# Altium PCB Spektrop2_Processor_Board_V1.PcbDoc (part 2 of 5) (continued)
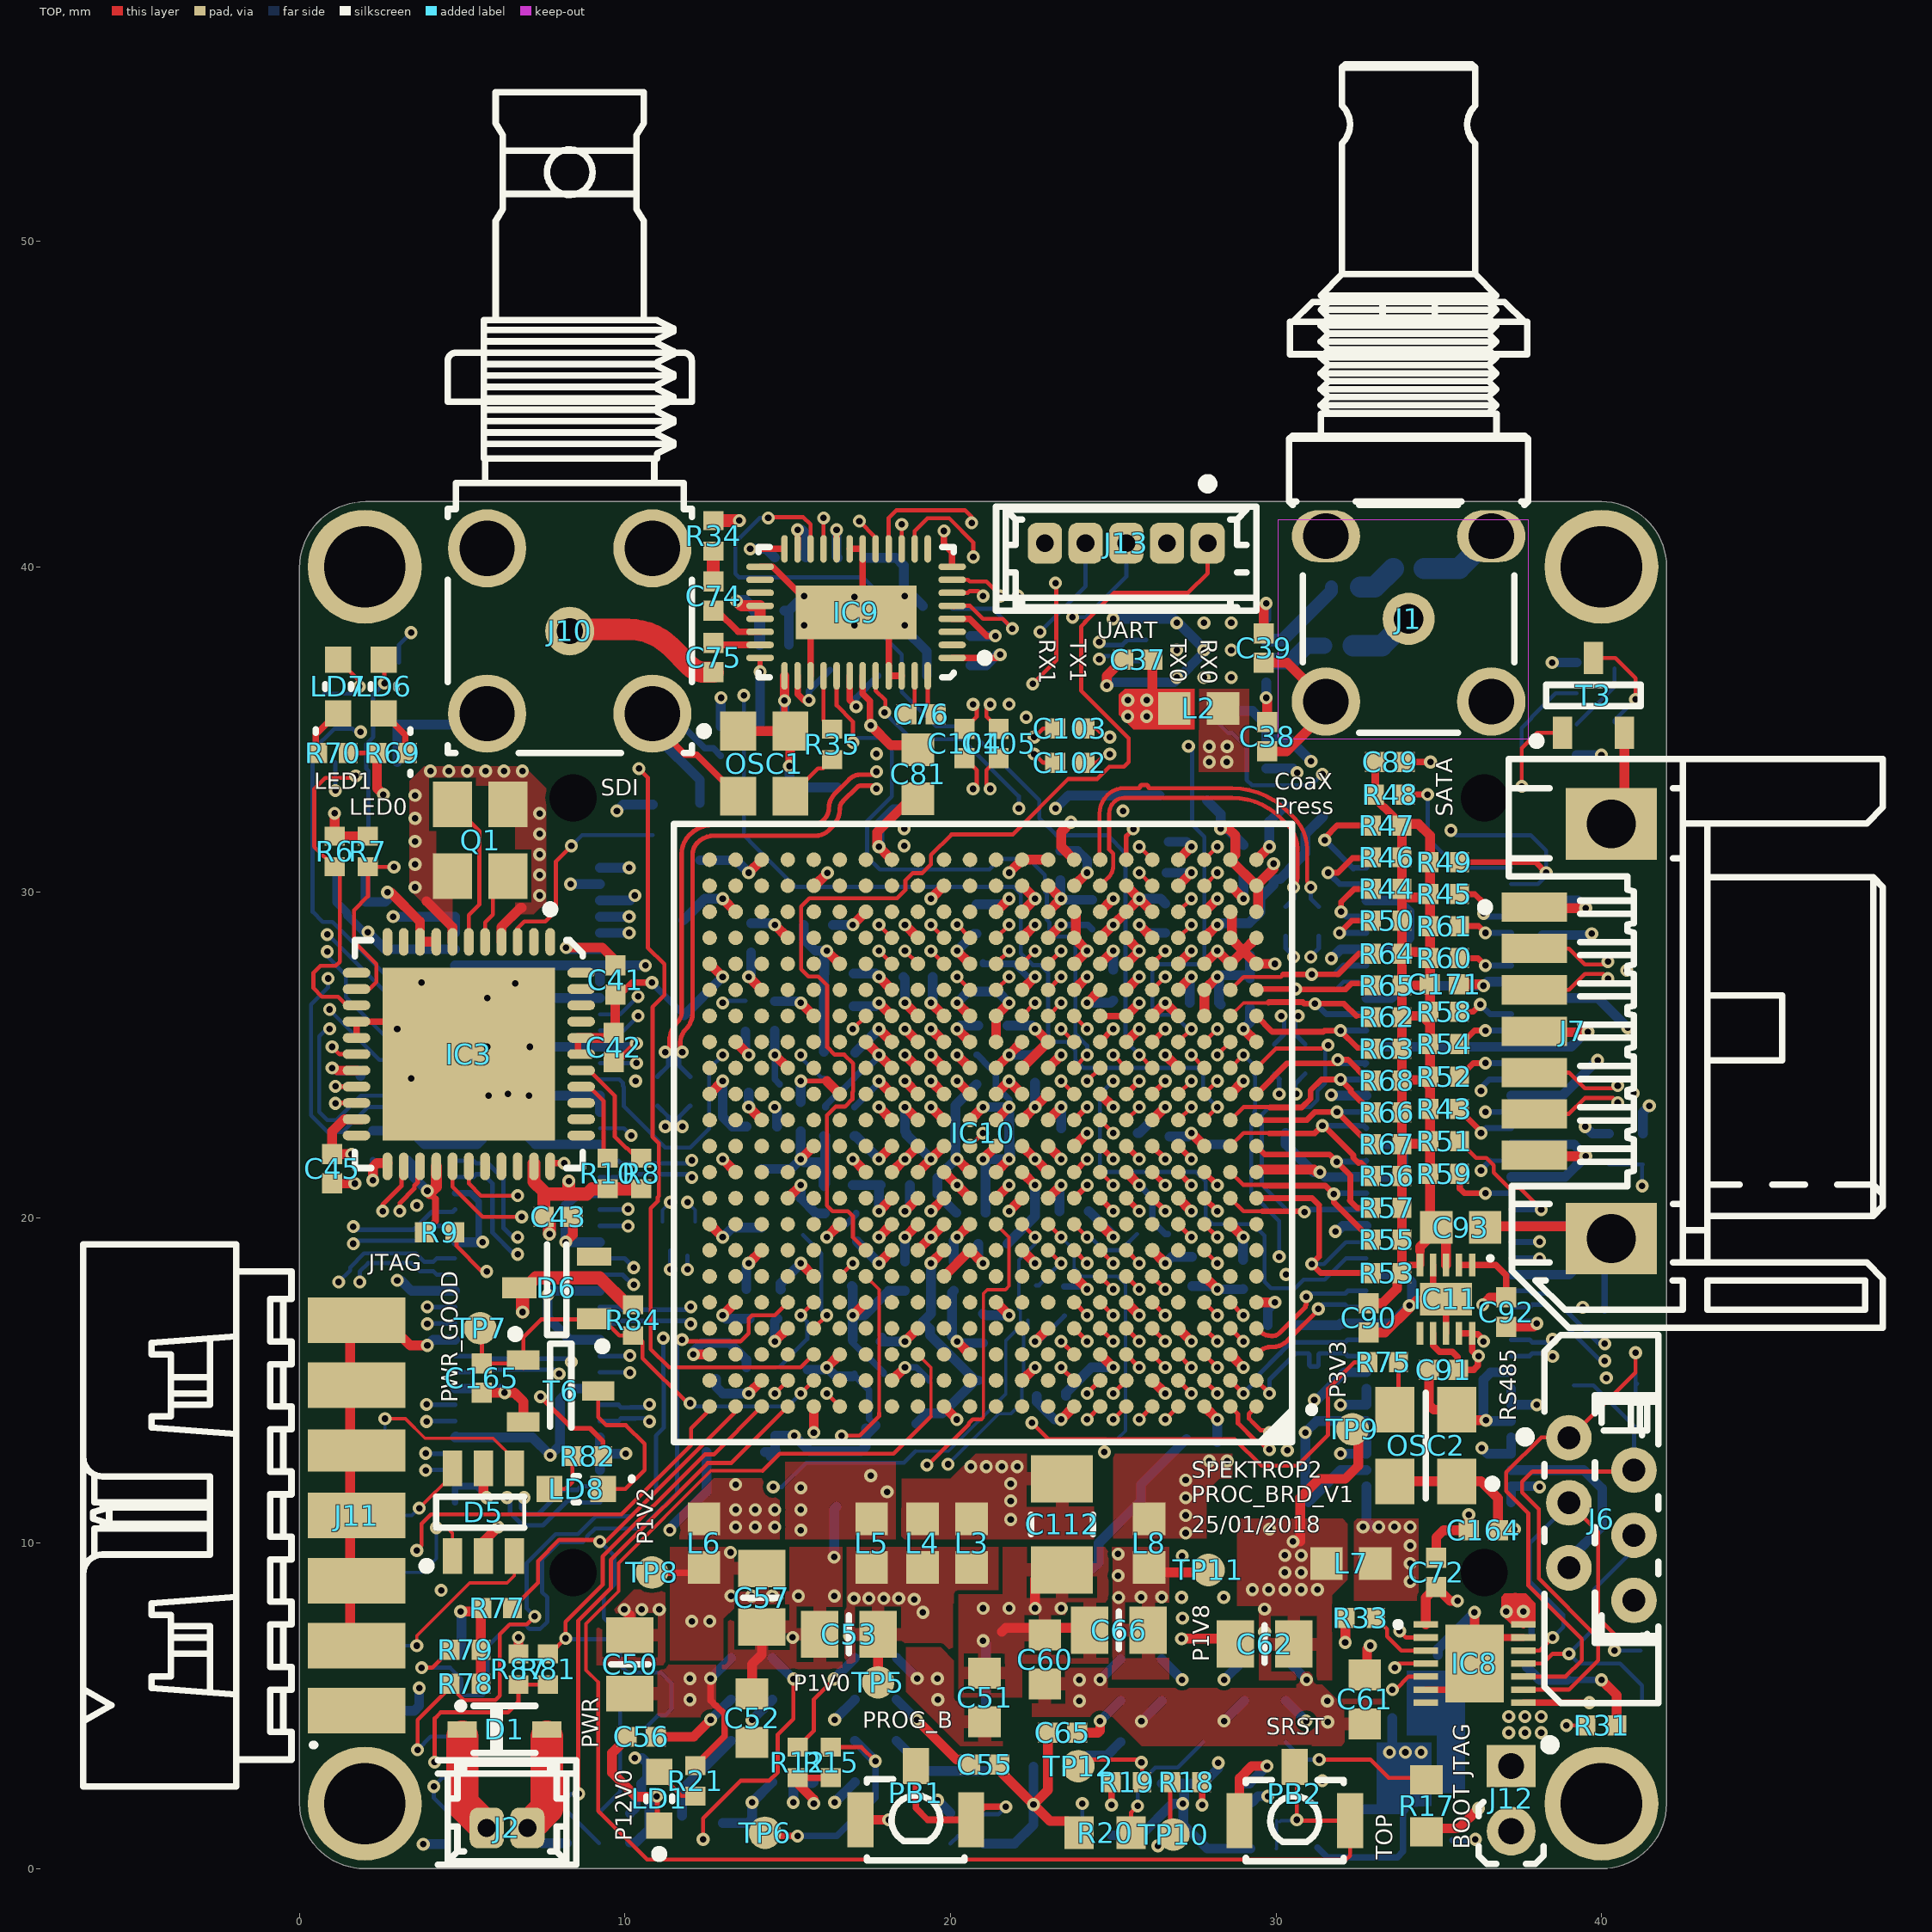
[diagram p0: TOP view]
## Part data (continued)
R90: library part R0402_22r_1%_0.0625W_100PPM, "Resistor - 1%", Case=0402, Manufacturer=GENERIC, Manufacturer1 ComponentHeight=0.4mm, Manufacturer1 Example="YAGEO PHYCOMP", Manufacturer1 Part Number=232270672209L, Manufacturer Part Number=R0402_22R_1%_0.0625W_100PPM, Power=0.0625W, Tolerance=±1%, Author="CERN DEM JLC", Component Type=Standard, CreateDate=03-Dec-07, HelpURL=\\cern.ch\dfs\Applications\Altium\Datasheets\R0402_Phycomp_RC0402.pdf, LatestRevisionDate=17-Oct-12, Mounted=Yes, Part Description="General Purpose Thick Film Chip Resistor", Part Number=R0402_22R_1%_0.0625W_100PPM, Pin Count=2, PressFit=No, Sense=No, SMD=Yes, Socket=No, Status="Not Recommended", TC=±100ppm/°C
T3 T4 T5 T6: "N-CHANNEL MOSFET WITH DIODE", Case=SOT23-3, Manufacturer=NEXPERIA, Author="CERN DEM JLC", Bonding=No, ComponentHeight=1.1mm, Component Type=Standard, CreateDate=16.03.2010, Device=BSH103, HelpURL=\\cern.ch\dfs\Applications\Altium\Datasheets\BSH103.pdf, LatestRevisionDate=20.06.2017, Manufacturer Part Number=BSH103, Mounted=Yes, PackageDescription="SOT23, 3 pin, Pitch 0.95mm - 1.3mm W X 2.9mm L X 1.1mm H, IPC Medium Density", Part Description="30V 850mA N-Channel Enhancement Mode Field-Effect Transistor", Part Number=BSH103, Pin Count=3, PressFit=No, Sense=No, SMD=Yes, Socket=No
  T3: ClassName=Artix
TP5 TP6 TP7 TP8 TP9 TP10 TP11 TP12 TP16: library part SMD_PAD_D1MM, "Through Hole Pad", Author="CERN DEM JLC", ComponentHeight=0mm, Component Type="Standard (No BOM)", CreateDate=10-Oct-17, Family="SMD Pad", HelpURL=Undefined, LatestRevisionDate=10-Oct-17, Mounted=No, PackageDescription="1mm Diameter SMD Pad", Part Description="1mm Diameter SMD Pad", Part Number=SMD_PAD_D1MM, Pin Count=1, Sense=No, SMD=No, Socket=No, Status=None

## Free pads (board coordinates)
  round 3.5 hole 2.5: 1(2,2) 1(2,40) 1(40,2) 1(40,40)

## Via types
v1: diameter 0.4, hole 0.2, TOP to BTM, tented both sides, 747 vias
v2: diameter 0.4, hole 0.2, TOP to BTM, 6 vias

## Nets (pads, with @x,y where several pads share a name; then routed paths per layer and width w, separated by ;. In a path a pad name is that pad's centre, name@x,y a point inside that pad or via, vN(x,y) a via of type N, cw(c..) or ccw(c..) an arc to the next point about the centre after c; other vN are vias at no path point)
BANK34_VRN: IC10.H8 R42.1 | length 2.5
  TOP w0.125: IC10.H8@23.798,19.799 v1(24.198,19.399)
  BTM w0.125: v1(24.198,19.399) 24.301,19.399 24.7,19 25.23,19 R42.1@25.73,19.5
BANK34_VRP: IC10.R8 R71.2 | length 11.3
  TOP w0.125: v1(23.399,25.8) IC10.R8@23.799,25.4
  L5 w0.125: v1(14.598,23.399) 14.999,23.8 22,23.8 23.037,24.837 23.037,25.437 v1(23.399,25.8)
  BTM w0.3: v1(14.598,23.399) 14.67,23.327 R71.2@14.67,22.8
CFGBVS: IC10.T9 R38.2 | length 10.6
  TOP w0.125: IC10.T9@22.999,26.2 v1(23.399,26.6)
  L5 w0.1: v1(15.399,25) 15.799,24.6 20.6,24.6 22.2,26.2 23,26.2 v1(23.399,26.6)
  BTM w0.125: v1(15.399,25) 15.399,24.931 R38.2@16.03,24.3 R38.2@16.13,24.3
CLK_MGT0_C_N: C95.2 IC10.V9 | length 26.2
  TOP w0.14: v1(11.758,25.089) 11.7,25.147 11.7,25.385 cw(c12.265,25.385) 11.865,25.785 ccw(c11.359,26.291) 12.075,26.291 12.075,31.163 cw(c12.587,31.163) 12.225,31.525 cw(c12.732,31.018) 12.732,31.735 15.844,31.735 ccw(c15.844,32.331) 16.265,31.91 16.366,32.01 ccw(c15.801,32.575) 16.6,32.575 cw(c16.902,32.575) 16.688,32.788 17.132,33.232 cw(c17.225,33.139) 17.225,33.271 17.632,33.271 v1(17.725,33.178) ; IC10.V9@22.999,27.8 v1(23.399,28.2)
  L2 w0.1: v1(17.725,33.178) 17.828,33.281 18.404,33.281 cw(c18.404,30.588) 20.308,32.492 20.528,32.272 ccw(c21.475,33.22) 21.475,31.88 cw(c21.475,30.866) 22.192,31.583 22.263,31.512 cw(c22.312,31.463) 22.361,31.513 ; 22.243,31.209 ccw(c22.292,31.16) 22.243,31.111 22.285,31.068 ccw(c22.335,31.118) 22.384,31.068 22.546,31.229 ; 22.243,31.21 22.404,31.371 ; 22.362,31.512 22.404,31.47 cw(c22.355,31.42) 22.404,31.371 ; 22.546,31.23 cw(c22.595,31.18) 22.644,31.23 22.687,31.187 cw(c22.637,31.138) 22.687,31.088 22.404,30.805 ccw(c22.454,30.756) 22.404,30.707 22.447,30.664 ccw(c22.496,30.714) 22.546,30.664 22.828,30.947 ; 22.829,30.947 cw(c22.878,30.897) 22.927,30.947 ; 22.927,30.947 22.97,30.904 cw(c22.92,30.855) 22.97,30.805 22.713,30.548 ccw(c22.762,30.499) 22.713,30.449 22.755,30.407 ccw(c22.805,30.456) 22.854,30.407 23.062,30.614 cw(c23.111,30.565) 23.161,30.614 23.775,30 cw(c23.594,29.819) 23.85,29.819 23.85,29.025 cw(c23.548,29.025) 23.762,28.812 23.399,28.449 v1(23.399,28.2)
  BTM w0.14: v1(11.758,25.089) 11.667,24.999 11.667,24.668 C95.2@12,24.336
CLK_MGT0_C_P: C94.2 IC10.U9 | length 25.7
  TOP w0.14: v1(11.233,25.089) 11.36,25.216 11.36,25.385 cw(c12.265,25.385) 11.625,26.025 ccw(c11.359,26.291) 11.735,26.291 11.735,31.163 cw(c12.587,31.163) 11.985,31.765 cw(c12.732,31.018) 12.732,32.075 15.844,32.075 ccw(c15.844,32.331) 16.025,32.15 16.126,32.251 ; 16.126,32.251 ccw(c15.801,32.575) 16.26,32.575 cw(c16.902,32.575) 16.448,33.029 16.892,33.473 cw(c17.225,33.139) 17.225,33.611 17.632,33.611 v1(17.725,33.703) ; IC10.U9@22.999,27 v1(23.399,27.4)
  L2 w0.1: v1(17.725,33.703) 17.827,33.601 18.404,33.601 cw(c18.404,30.588) 20.534,32.718 20.754,32.499 ccw(c21.475,33.22) 21.475,32.2 cw(c21.475,30.866) 22.418,31.809 24.001,30.226 cw(c23.594,29.819) 24.17,29.819 24.17,29.025 cw(c23.548,29.025) 23.988,28.585 23.774,28.372 23.774,28.044 23.399,27.669 v1(23.399,27.4)
  BTM w0.14: C94.2@10.995,24.336 11.327,24.668 11.327,24.994 v1(11.233,25.089)
CLK_MGT0_N: C95.1 IC3.19 | length 12.5
  TOP w0.125: v1(1.1,24.037) v1@1.113,24.025
  TOP w0.14: v1(1.1,24.037) ccw(c1.13,24.068) 1.13,24.025 IC3.19@1.75,24.025
  L5 w0.1: v1(1.1,24.037) ccw(c1.372,24.309) 1.372,23.925 4.386,23.925 cw(c4.386,22.686) 5.262,23.562 ccw(c6.076,24.376) 6.076,23.225 11.34,23.225 11.76,22.805 v1(11.76,22.8)
  BTM w0.14: v1(11.76,22.8) 11.667,22.892 11.667,23.104 C95.1@12,23.436
CLK_MGT0_P: C94.1 IC3.20 | length 11.9
  TOP w0.125: v1(1.1,23.512) v1@1.113,23.525
  TOP w0.14: v1(1.1,23.512) cw(c1.13,23.482) 1.13,23.525 IC3.20@1.75,23.525
  L5 w0.1: v1(1.1,23.512) cw(c1.372,23.241) 1.372,23.625 4.386,23.625 cw(c4.386,22.686) 5.05,23.35 ccw(c6.076,24.376) 6.076,22.925 11.11,22.925 v1(11.235,22.8)
  BTM w0.14: C94.1@10.995,23.436 11.327,23.104 11.327,22.893 v1(11.235,22.8)
CLK_MGT1_C_N: C97.2 IC10.V5 | length 36
  TOP w0.14: IC10.V5@26.199,27.8 v1(26.599,28.2)
  L2 w0.1: v2(11.918,20.475) 12.8,20.475 14.214,21.889 cw(c15.75,20.352) 15.75,22.525 18.95,22.525 ccw(c18.95,24.032) 20.016,22.966 20.537,23.488 ccw(c19.118,24.907) 21.125,24.907 21.125,29.7 ccw(c19.376,29.7) 20.613,30.936 20.197,31.352 ccw(c19.025,30.18) 19.025,31.838 18.847,31.838 cw(c18.847,32.222) v1(18.575,31.95)
  L5 w0.1: v1(18.575,31.95) ccw(c18.847,32.222) 18.847,31.838 19.175,31.838 19.339,32.002 ccw(c18.891,32.45) 19.525,32.45 19.525,32.553 cw(c21.447,32.553) 20.088,33.912 cw(c20.904,33.096) 20.904,34.25 21.13,34.25 cw(c21.13,32.755) 22.187,33.812 ccw(c23.061,34.686) 23.061,33.45 23.43,33.45 ccw(c23.43,33.52) 23.5,33.52 23.5,33.791 cw(c23.57,33.791) 23.57,33.861 23.63,33.861 cw(c23.63,33.791) 23.7,33.791 23.7,33.52 ccw(c23.77,33.52) 23.77,33.45 24.572,33.45 cw(c24.572,31.272) 26.112,32.812 cw(c25.055,31.755) 26.55,31.755 26.55,28.249 v1(26.599,28.2)
  BTM w0.1: v2(11.918,20.475) 12.158,20.236 C97.2@12.158,19.876
CLK_MGT1_C_P: C96.2 IC10.U5 | length 35.6
  TOP w0.14: IC10.U5@26.199,27 v1(26.599,27.4)
  L2 w0.1: v2(11.393,20.475) 11.393,20.668 11.575,20.85 12.751,20.85 14.001,22.101 cw(c15.75,20.352) 15.75,22.825 18.95,22.825 ccw(c18.95,24.032) 19.803,23.178 20.325,23.7 ccw(c19.118,24.907) 20.825,24.907 20.825,29.7 ccw(c19.376,29.7) 20.401,30.724 19.985,31.14 ccw(c19.025,30.18) 19.025,31.538 18.847,31.538 ccw(c18.847,31.153) v1(18.575,31.425)
  L5 w0.1: v1(18.575,31.425) cw(c18.847,31.153) 18.847,31.538 19.175,31.538 ccw(c19.175,31.837) 19.387,31.625 19.552,31.79 ccw(c18.891,32.45) 19.825,32.45 19.825,32.553 cw(c21.447,32.553) 20.3,33.7 cw(c20.904,33.096) 20.904,33.95 21.13,33.95 cw(c21.13,32.755) 21.975,33.6 ccw(c23.061,34.686) 23.061,33.15 24.572,33.15 cw(c24.572,31.272) 25.9,32.6 cw(c25.055,31.755) 26.25,31.755 26.25,28.381 26.224,28.355 26.224,28.044 26.25,28.018 26.25,27.749 v1(26.599,27.4)
  BTM w0.1: C96.2@11.153,19.876 11.153,20.236 v2(11.393,20.475)
CLK_MGT1_N: C97.1 IC3.24 | length 13.9
  TOP w0.14: v1(2.552,20.2) 2.552,20.402 3.13,20.98 3.13,21.505 IC3.24@3.2,21.575
  L5 w0.1: v1(2.552,20.2) ccw(c2.281,20.472) 2.665,20.472 2.665,20.925 cw(c3.544,20.925) 2.922,21.547 3.063,21.687 cw(c3.758,20.992) 3.758,21.975 5.51,21.975 cw(c5.51,18.983) 7.626,21.099 ; 7.626,21.099 9.053,19.672 ccw(c9.95,20.569) 9.95,19.3 10.657,19.3 cw(c10.657,18.232) 11.412,18.987 11.918,18.481 v1(11.918,18.412)
  BTM w0.14: v1(11.918,18.412) C97.1@11.918,18.825
CLK_MGT1_P: C96.1 IC3.25 | length 13
  TOP w0.14: v1(3.077,20.2) 3.077,20.447 3.53,20.899 3.53,20.989 3.63,21.089 3.63,21.505 IC3.25@3.7,21.575
  L5 w0.1: v1(3.077,20.2) cw(c3.349,20.472) 2.965,20.472 2.965,20.925 cw(c3.544,20.925) 3.135,21.335 3.275,21.475 cw(c3.758,20.992) 3.758,21.675 5.51,21.675 cw(c5.51,18.983) 7.414,20.886 8.84,19.46 ccw(c9.95,20.569) 9.95,19 10.657,19 cw(c10.657,18.232) 11.2,18.775 11.393,18.582 v1(11.393,18.412)
  BTM w0.14: v1(11.393,18.412) 11.393,18.976 C96.1@11.393,18.987
COAXPRESS_UPLINK: IC2.14 IC10.R3 | length 17.8
  TOP w0.125: IC10.R3@27.799,25.4 v1(28.199,25.8)
  L2 w0.1: v1(28.199,25.8) 28.7,26.3 29.2,26.3 29.8,25.7 30.9,25.7 32.375,27.175 32.375,31.255 31.425,32.205 v1(31.425,33.625)
  BTM w0.125: IC2.14@28.175,35.575 28.175,35.25 28.533,34.892 28.654,34.892 29.096,34.45 29.1,34.45 29.1,33.45 29.262,33.288 31.088,33.288 v1(31.425,33.625)
DONE: IC10.T10 R41.1 T3.1 | length 28.6
  TOP w0.125: IC10.T10@22.199,26.2 v1(22.599,26.6) ; v1(37.55,33.25) 37.55,34.425 38.022,34.897 T3.1@38.803,34.897
  L5 w0.1: v1(22.599,26.6) 22.949,26.95 26.75,26.95 27,27.2 27,32.75 27.5,33.25 34.38,33.25 34.68,33.55 35.45,33.55 35.775,33.875 36.925,33.875 v1(37.55,33.25)
  BTM w0.125: v1(37.55,33.25) 37.55,35.045 37.853,35.347 37.853,35.378 38.592,36.117 R41.1@39.242,36.117
FPGA_BANK13_IO0: IC10.T16 J8.33 | length 10.2
  TOP w0.125: v1(16.999,25.8) IC10.T16@17.399,26.2
  L2 w0.1: v1(10.191,22.524) 11.416,23.75 15.731,23.75 16.999,25.018 v1(16.999,25.8)
  BTM w0.125: J8.33@9.225,22.75 9.965,22.75 v1(10.191,22.524)
FPGA_BANK13_IO1: IC10.V13 J8.25 | length 12.3
  TOP w0.125: v1(19.399,28.2) IC10.V13@19.799,27.8
  L2 w0.1: v1@10.364,24.751 11.421,25.808 15.308,25.808 16.462,26.962 18.362,26.962 19.399,27.999 v1(19.399,28.2)
  L2 w0.125: v1(10.351,24.751) v1@10.364,24.751
  BTM w0.125: J8.25@9.225,24.75 10.349,24.75 v1(10.351,24.751)
FPGA_BANK13_IO2: IC10.V14 J8.21 | length 11
  TOP w0.125: v1(18.599,28.2) IC10.V14@18.999,27.8
  L2 w0.1: v1(10.4,26.2) 11.189,26.2 12.751,27.762 18.162,27.762 v1(18.599,28.2)
  BTM w0.125: J8.21@9.225,25.75 9.95,25.75 v1(10.4,26.2)
FPGA_BANK13_IO3: IC10.V15 J8.19 | length 10.3
  TOP w0.125: v1(17.799,28.2) IC10.V15@18.199,27.8
  L2 w0.1: v1(10.4,26.8) 10.948,26.8 12.758,28.61 17.389,28.61 v1(17.799,28.2)
  BTM w0.125: J8.19@9.225,26.25 9.85,26.25 v1(10.4,26.8)
FPGA_BANK13_IO4: IC10.W15 J8.28 | length 23.6
  TOP w0.125: v1(17.799,29) IC10.W15@18.199,28.6
  L2 w0.1: v1@0.9,26.4 1.55,27.05 2.3,27.8 9.705,27.8 10.055,28.15 11.65,28.15 12.852,29.352 17.446,29.352 v1(17.799,29)
  BTM w0.125: v1(0.925,26.4) 0.9,26.4 2.45,24.85 3.4,24.85 4,24.25 J8.28@4.775,24.25
FPGA_BANK13_IO5: IC10.W12 J8.22 | length 28.2
  TOP w0.125: v1(20.199,29.004) IC10.W12@20.599,28.604
  L2 w0.1: v1(0.85,28.7) 0.95,28.7 1.875,29.625 3.03,29.625 3.505,29.15 8.457,29.15 9.15,29.843 9.15,30.575 9.875,31.3 17.1,31.3 17.6,30.8 18.894,30.8 20.199,29.495 v1(20.199,29.004)
  BTM w0.125: v1(0.85,28.7) 0.873,28.7 3.823,25.75 J8.22@4.775,25.75
FPGA_BANK13_IO6: IC10.W13 J8.26 | length 26.3
  TOP w0.125: v1(19.399,29) IC10.W13@19.799,28.6
  L2 w0.1: v1(0.85,28.175) 2.125,28.175 2.75,28.8 8.625,28.8 10.1,30.275 13.125,30.275 13.5,29.9 18.499,29.9 v1(19.399,29)
  BTM w0.125: v1(0.85,28.175) 0.85,28.025 1.425,27.45 1.425,26.775 2.95,25.25 3.7,25.25 4.2,24.75 J8.26@4.775,24.75
FPGA_BANK13_IO7: IC10.V11 J8.34 | length 43.9
  TOP w0.125: IC10.V11@21.399,27.8 v1(21.799,28.2)
  L5 w0.1: v1(0.875,27.35) 1.15,27.35 1.45,27.65 1.45,30.968 2.2,31.718 2.2,34.375 3.55,35.725 3.555,35.725 4.855,37.025 6.351,37.025 10.876,32.5 15.5,32.5 17.3,30.7 20.8,30.7 21.338,30.162 21.949,30.162 22.162,29.95 22.162,29.938 22.2,29.9 22.2,28.6 v1(21.799,28.2)
  BTM w0.125: v1(0.875,27.35) 0.875,27.075 0.35,26.55 0.35,23.146 0.871,22.625 1.315,22.625 2.09,23.4 3.5,23.4 4.15,22.75 J8.34@4.775,22.75
FPGA_BANK13_IO8: IC10.W11 J8.32 | length 38.3
  TOP w0.125: IC10.W11@21.399,28.6 v1(21.799,29)
  L5 w0.1: v1(0.925,25.8) 0.95,25.775 1.5,25.775 1.675,25.95 1.675,29 2.025,29.35 2.025,30.7 2.95,31.625 2.95,33.55 3.5,34.1 8.958,34.1 11.058,32 15.4,32 17.1,30.3 20.499,30.3 v1(21.799,29)
  BTM w0.125: v1(0.925,25.8) 0.825,25.8 0.6,25.575 0.6,23.25 0.85,23 1.136,23 1.886,23.75 3.711,23.75 4.211,23.25 J8.32@4.775,23.25 J8.32@4.814,23.25
FPGA_BANK13_IO9: IC10.U11 J8.20 | length 42.1
  TOP w0.125: IC10.U11@21.399,27 v1(21.799,27.4)
  L5 w0.1: v1(1.875,34.925) 2.275,34.925 4.75,37.4 6.849,37.4 10.05,34.199 10.05,33.645 10.695,33 15.6,33 17.562,31.038 22.062,31.038 23,30.1 23,28 22.8,27.8 22.2,27.8 v1(21.799,27.4)
  BTM w0.125: v1(1.875,34.925) 1.8,34.85 1.625,35.025 1.075,35.025 0.738,34.688 0.722,34.688 0.4,34.365 0.4,29.4 0.712,29.088 1.012,29.088 3.85,26.25 J8.20@4.775,26.25
FPGA_BANK13_IO10: IC10.U12 J8.27 | length 17
  TOP w0.125: v1(20.199,27.4) IC10.U12@20.599,27
  L2 w0.1: v1(12.999,25) 13.449,24.55 15.544,24.55 16,25.005 16,25.7 16.5,26.2 18.712,26.2 19.037,26.524 19.037,26.75 19.686,27.4 v1(20.199,27.4)
  BTM w0.125: J8.27@9.225,24.25 9.825,24.25 9.937,24.138 9.937,24.039 9.962,24.014 9.962,23.417 11.23,22.15 12.007,22.15 12.585,22.728 12.585,24.578 v1@13.003,24.996
FPGA_BANK34_HSTL_IN_IO0: IC10.L7 J9.8 R44.1 | length 16.2
  TOP w0.18: IC10.L7@24.599,22.2 v1(24.999,21.8) ; v1(32,29.4) 32,29.7 32.4,30.1 R44.1@32.93,30.1
  L5 w0.12: v1(24.999,21.8) 25.925,22.725 26.95,22.725 27.2,22.975 30.425,22.975 31.15,23.7 31.15,25.45 32.5,26.8 32.5,28.9 v1(32,29.4)
  BTM w0.18: v1(32,29.4) 32.15,29.25 J9.8@32.775,29.25
FPGA_BANK34_HSTL_IN_IO1: IC10.L6 J9.7 R45.1 | length 18.6
  TOP w0.18: IC10.L6@25.399,22.2 v1(25.799,21.8) ; R45.1@35.645,29.942 36.108,29.942 36.377,29.673 v1(36.377,29.351)
  L5 w0.12: v1(25.799,21.8) 26.2,22.2 31.3,22.2 31.55,22.45 31.85,22.45 33,23.6 33,27.475 34.876,29.351 v1(36.377,29.351)
  BTM w0.18: v1(36.377,29.351) 36.377,29.308 36.435,29.25 J9.7@37.225,29.25
FPGA_BANK34_HSTL_IN_IO2: IC10.N5 J9.4 R46.1 | length 14.4
  TOP w0.18: IC10.N5@26.199,23.8 v1(26.599,24.2) ; v1(31.6,30.6) 31.9,30.6 32.346,31.046 R46.1@32.93,31.046
  L5 w0.12: v1(26.599,24.2) 26.89,24.2 27.291,24.6 29.425,24.6 29.725,24.9 29.725,27.4 29.6,27.525 29.6,28.125 30,28.525 30,30.25 30.35,30.6 v1(31.6,30.6)
  BTM w0.18: 31.797,30.4 31.6,30.597 v1(31.6,30.6) 31.95,30.25 J9.4@32.775,30.25
FPGA_BANK34_HSTL_IN_IO3: IC10.R7 J9.2 R47.1 | length 16.8
  TOP w0.18: IC10.R7@24.599,25.4 v1(24.999,25.8) ; v1(31.5,31.6) 31.5,31.675 31.875,32.05 R47.1@32.93,32.05
  L5 w0.12: v1(24.999,25.8) 25.1,25.8 25.5,25.4 26.73,25.4 27,25.67 27,25.925 27.325,26.25 27.95,26.25 28.6,26.9 28.6,30.075 28.7,30.175 28.7,32 29,32.3 30.8,32.3 v1(31.5,31.6)
  BTM w0.18: v1(31.5,31.6) 32.375,30.725 32.375,30.75 J9.2@32.775,30.75
FPGA_BANK34_HSTL_IN_IO4: IC10.R5 J9.1 R48.1 | length 19.8
  TOP w0.125: v1(34.66,33) v1@34.698,33
  TOP w0.18: IC10.R5@26.199,25.4 v1(26.599,25.8) ; R48.1@33.87,33 v1(34.66,33)
  L5 w0.12: v1(26.599,25.8) 26.599,25.999 27.8,27.2 27.8,32.25 28.25,32.7 34.36,32.7 v1(34.66,33)
  BTM w0.125: v1(34.66,33) 34.66,31.666 35.576,30.75 J9.1@37.225,30.75
FPGA_BANK34_HSTL_IN_IO5: IC10.M8 J9.3 R49.1 | length 28
  TOP w0.18: IC10.M8@23.799,23 v1(24.199,23.4) ; R49.1@35.645,30.925 37.975,30.925 v1(38.3,30.6)
  L5 w0.12: v1(24.199,23.4) 24.199,23.574 24.559,23.934 24.559,24.409 24.75,24.6 26.775,24.6 27,24.825 27,25.2 27.2,25.4 28.425,25.4 28.6,25.575 28.6,26.2 29,26.6 29,29.1 29.425,29.525 29.425,29.95 29.05,30.325 29.05,31.675 29.36,31.985 30.365,31.985 31.11,31.24 34.715,31.24 v1(35.375,31.9)
  BTM w0.125: v1(35.375,31.9) 35.525,31.75 37.825,31.75 38.3,31.275 v1(38.3,30.6) 38.3,30.497 38.053,30.25 J9.3@37.225,30.25
FPGA_BANK34_HSTL_IN_IO6: IC10.N6 J9.10 R50.1 | length 12.4
  TOP w0.18: IC10.N6@25.399,23.8 v1(25.799,24.2) ; v1(31.95,28.75) 32.325,29.125 R50.1@32.905,29.125
  L5 w0.12: v1(25.799,24.2) 25.799,24.126 26.01,23.915 26.125,23.8 29.348,23.8 30.45,24.902 30.45,25.278 32.085,26.913 32.085,28.615 v1(31.95,28.75)
  BTM w0.18: v1(31.95,28.75) J9.10@32.775,28.75
FPGA_BANK34_HSTL_IN_IO7: IC10.J5 J9.43 R51.1 | length 23.8
  TOP w0.125: R51.1@35.645,22.345 36.152,21.838 36.461,21.838 36.688,21.611 36.688,21.387 37.164,20.911 37.489,20.911 v1(38.15,20.25)
  TOP w0.18: IC10.J5@26.199,20.6 v1(26.599,20.2)
  L2 w0.12: v1(26.599,20.2) 26.599,19.626 27.225,19 28.444,19 29.244,18.2 29.244,17.406 29.697,16.953 29.702,16.953 29.705,16.95 30.575,16.95 30.75,16.775 37.075,16.775 37.55,17.25 v1(39.425,17.25)
  L5 w0.12: v1(38.15,20.25) 38.525,19.875 38.525,18.15 v1(39.425,17.25)
  BTM w0.18: J9.43@37.225,20.25 v1(38.15,20.25)
FPGA_BANK34_HSTL_IN_IO8: IC10.K5 J9.25 R52.1 | length 18.4
  TOP w0.18: IC10.K5@26.199,21.4 v1(26.599,21) ; R52.1@35.645,24.208 R52.1@35.645,24.335 36.06,24.75 v1(36.435,24.75)
  L5 w0.12: v1(26.599,21) 26.974,20.625 26.974,20.076 27.265,19.785 27.565,19.785 27.8,19.55 27.8,19.05 27.85,19 29.4,19 29.585,19.185 31.26,19.185 31.545,18.9 34.05,18.9 35.3,20.15 35.3,23.615 v1(36.435,24.75)
  BTM w0.18: v1(36.435,24.75) J9.25@37.225,24.75
FPGA_BANK34_HSTL_IN_IO9: IC10.J6 J9.33 R43.1 | length 20.7
  TOP w0.18: IC10.J6@25.399,20.6 v1(25.799,20.2) ; R43.1@35.645,23.125 35.823,23.125 36.3,22.648 v1(36.3,22.6)
  L5 w0.12: v1(25.799,20.2) 25.799,19.951 27.25,18.5 27.25,17.65 27.475,17.425 29.175,17.425 29.9,16.7 34.9,16.7 37.025,18.825 37.025,21.875 v1(36.3,22.6)
  BTM w0.18: v1(36.3,22.6) 36.45,22.75 J9.33@37.225,22.75
FPGA_BANK34_HSTL_IN_IO10: IC10.J1 J9.48 R53.1 | length 7.9
  TOP w0.18: IC10.J1@29.399,20.6 29.404,20.605 31.107,20.605 31.325,20.387 31.325,18.8 v1(31.1,18.575) 31.375,18.3 R53.1@32.93,18.3
  BTM w0.125: v1(31.1,18.575) 31.475,18.575 32.15,19.25 J9.48@32.775,19.25 J9.48@32.775,19.209
FPGA_BANK34_HSTL_IN_IO11: IC10.J3 J9.21 R54.1 | length 15
  TOP w0.18: IC10.J3@27.799,20.6 v1(28.199,20.2) ; R54.1@35.645,25.292 36.103,25.75 v1(36.435,25.75)
  L5 w0.12: v1(28.199,20.2) 28.574,19.825 29.325,19.825 29.6,19.55 31.27,19.55 31.27,19.564 31.666,19.96 33.235,19.96 34.85,21.575 34.85,24.165 v1(36.435,25.75)
  BTM w0.18: v1@36.397,25.75 v1(36.435,25.75) J9.21@37.225,25.75
FPGA_BANK34_HSTL_IN_IO12: IC10.K2 J9.42 R55.1 | length 6.5
  TOP w0.125: IC10.K2@28.599,21.4 28.987,21.012 29.65,21.012
  TOP w0.18: 29.65,20.985 31.515,20.985 v1(31.775,20.725) 31.775,20.48 R55.1@32.93,19.325
  BTM w0.18: v1@31.865,20.695 31.888,20.718 31.882,20.725 v1(31.775,20.725) 31.8,20.75 J9.42@32.775,20.75
FPGA_BANK34_HSTL_IN_IO13: IC10.L2 J9.34 R56.1 | length 6.6
  TOP w0.125: IC10.L2@28.599,22.2 29,22.6 29.233,22.6 29.8,22.6
  TOP w0.18: 29.8,22.59 31.19,22.59 v1(31.425,22.825) 31.475,22.825 32.377,21.922 32.377,21.835 32.531,21.681 32.619,21.681 R56.1@32.93,21.37
  BTM w0.18: v1(31.425,22.825) 32.7,22.825 J9.34@32.775,22.75
FPGA_BANK34_HSTL_IN_IO14: IC10.L1 J9.38 R57.1 | length 5.8
  TOP w0.18: IC10.L1@29.399,22.2 29.657,21.941 31.645,21.941 v1(31.865,21.722) 32.288,21.299 32.288,20.539 32.274,20.526 32.5,20.3 R57.1@32.93,20.3
  BTM w0.18: v1(31.865,21.722) v1@31.918,21.722 ; v1@31.947,21.75 v1@31.918,21.722 ; J9.38@32.775,21.75 32.747,21.722 v1@31.918,21.722
FPGA_BANK34_HSTL_IN_IO15: IC10.K4 J9.19 R58.1 | length 15.3
  TOP w0.18: IC10.K4@26.999,21.4 v1(27.399,21) ; R58.1@35.645,26.325 36.05,26.325 v2(36.275,26.55)
  L5 w0.12: v1(27.399,21) 27.674,20.725 27.943,20.725 28.044,20.625 30.975,20.625 31.325,20.275 32.05,20.275 34.4,22.625 34.4,24.675 v2(36.275,26.55)
  BTM w0.18: v2(36.275,26.55) 36.575,26.25 J9.19@37.225,26.25
FPGA_BANK34_HSTL_IN_IO16: IC10.K3 J9.41 R59.1 | length 11.4
  TOP w0.125: R59.1@35.645,21.35 R59.1@35.645,21.45
  TOP w0.18: IC10.K3@27.799,21.4 v1(28.199,21) ; 35.645,20.905 35.8,20.75 v1(36.435,20.75)
  TOP w0.2: 35.645,20.905 R59.1@35.645,21.35
  L2 w0.12: v1(28.199,21) 30.15,21 30.575,20.575 31.08,20.575 31.305,20.35 36.035,20.35 v1(36.435,20.75)
  BTM w0.18: v1(36.435,20.75) J9.41@37.225,20.75
FPGA_BANK34_HSTL_IN_IO17: IC10.L5 J9.13 R60.1 | length 17.1
  TOP w0.18: IC10.L5@26.199,22.2 v1(26.599,21.8) ; R60.1@35.645,27.975 36.21,27.975 v1(36.435,27.75)
  L5 w0.12: v1(26.599,21.8) 26.974,21.425 27.554,21.425 ; 27.555,21.425 30.45,21.425 30.86,21.015 31.556,21.015 ; 31.558,21.013 31.644,21.1 31.975,21.1 34,23.125 34,26.375 35.375,27.75 v1(36.435,27.75)
  BTM w0.18: v1@36.397,27.75 v1(36.435,27.75) J9.13@37.225,27.75
FPGA_BANK34_HSTL_IN_IO18: IC10.L4 J9.9 R61.1 | length 16.1
  TOP w0.18: IC10.L4@26.999,22.2 v1(27.399,21.8) ; R61.1@35.645,28.958 36.227,28.958 v1(36.435,28.75)
  L5 w0.12: v1(27.399,21.8) 31.434,21.8 31.716,22.082 32.207,22.082 33.4,23.275 33.4,26.65 35.525,28.775 36.41,28.775 v1(36.435,28.75)
  BTM w0.18: v1(36.435,28.75) J9.9@37.225,28.75
FPGA_BANK34_HSTL_IN_IO19: IC10.T2 J9.20 R62.1 | length 6.4
  TOP w0.1: IC10.T2@28.599,26.2 29,26.6 29.233,26.6 29.565,26.6 ; 29.565,26.6 29.758,26.6 29.767,26.609
  TOP w0.125: 32.466,26.2 R62.1@32.93,26.2
  TOP w0.18: 29.767,26.609 29.783,26.625 30.825,26.625 30.875,26.575 v1(31.2,26.575) 32.091,26.575 32.466,26.2
  BTM w0.18: v1(31.2,26.575) 31.225,26.575 31.55,26.25 J9.20@32.775,26.25
FPGA_BANK34_HSTL_IN_IO20: IC10.T1 J9.22 R63.1 | length 4.8
  TOP w0.18: IC10.T1@29.399,26.2 29.886,25.713 31.454,25.713 31.484,25.743 v1@31.978,25.743 ; v1(31.985,25.75) v1@31.978,25.743 ; R63.1@32.93,25.217 32.511,25.217 31.985,25.743 v1@31.978,25.743
  BTM w0.18: v1@31.947,25.75 v1(31.985,25.75) J9.22@32.775,25.75
FPGA_BANK34_HSTL_IN_IO21: IC10.U2 J9.14 R64.1 | length 6.5
  TOP w0.125: IC10.U2@28.599,27 28.999,27.4 30.148,27.4 30.224,27.475
  TOP w0.18: 30.224,27.475 v1(31.1,27.475) ; v1@31.15,27.475 31.906,27.475 32.546,28.115 R64.1@32.93,28.115
  BTM w0.18: v1(31.1,27.475) 31.797,27.475 32.072,27.75 J9.14@32.775,27.75
FPGA_BANK34_HSTL_IN_IO22: IC10.U1 J9.16 R65.1 | length 5.9
  TOP w0.18: IC10.U1@29.399,27 29.425,27.025 v1(30.6,27.025) 30.61,27.015 32.14,27.015 32.325,27.2 R65.1@32.93,27.2
  BTM w0.125: v1(30.6,27.025) 31.85,27.025 32.075,27.25 J9.16@32.775,27.25
FPGA_BANK34_HSTL_IN_IO23: IC10.M2 J9.28 R66.1 | length 6.3
  TOP w0.125: IC10.M2@28.599,23 29,23.4 29.798,23.4
  TOP w0.18: 29.813,23.385 30.795,23.385 31.062,23.652 31.062,23.911 31.402,24.25 v1(31.985,24.25) 32.3,23.935 32.3,23.88 R66.1@32.93,23.25
  BTM w0.18: v1@31.947,24.25 v1(31.985,24.25) J9.28@32.775,24.25
FPGA_BANK34_HSTL_IN_IO24: IC10.M1 J9.32 R67.1 | length 5.1
  TOP w0.18: IC10.M1@29.399,23 30.947,23 31.198,23.25 v1(31.875,23.25) ; v1@31.975,23.275 31.95,23.25 v1(31.875,23.25) ; R67.1@32.93,22.3 32.825,22.3 v1(31.875,23.25) ; R67.1@32.93,22.37 32.93,22.335 R67.1@32.947,22.317
  BTM w0.18: v1(31.875,23.25) 32.725,23.25 32.75,23.275 J9.32@32.775,23.25
FPGA_BANK34_HSTL_IN_IO25: IC10.N1 J9.26 R68.1 | length 5.2
  TOP w0.18: IC10.N1@29.399,23.8 30.342,24.743 31.793,24.743 v1(31.9,24.85) 32.213,24.85 32.83,24.233 R68.1@32.93,24.233
  BTM w0.18: v1(31.9,24.85) 32,24.75 J9.26@32.775,24.75 J9.26@32.725,24.7
FPGA_BANK34_HSTL_IO0: IC10.J8 J9.27 | length 20.6
  TOP w0.18: IC10.J8@23.799,20.6 v1(24.2,20.999)
  L5 w0.12: v1(24.2,20.999) 24.598,20.6 26,20.6 26.199,20.401 26.199,20.055 28.029,18.225 29.75,18.225 30.105,17.87 30.683,17.87 30.838,18.025 35.15,18.025 35.75,18.625 35.75,23.4 36.275,23.925 v1(36.3,23.9)
  BTM w0.18: v1(36.3,23.9) 36.3,24 36.55,24.25 J9.27@37.225,24.25
FPGA_BANK34_HSTL_IO1: IC10.K8 J9.37 | length 14.6
  TOP w0.18: IC10.K8@23.799,21.4 v1(24.2,21.799)
  L2 w0.12: v1(24.2,21.799) 24.598,21.4 30.574,21.4 30.959,21.015 31.521,21.015 31.616,21.11 32.265,21.11 32.575,20.8 35.65,20.8 v1(36.3,21.45)
  BTM w0.125: v1@36.275,21.45 36.3,21.425 v1(36.3,21.45) ; 36.575,21.75 J9.37@37.225,21.75
  BTM w0.18: v1@36.275,21.45 36.575,21.75
FPGA_BANK34_HSTL_IO2: IC10.J7 J9.31 | length 23.8
  TOP w0.18: IC10.J7@24.599,20.6 v1(24.999,20.2)
  L5 w0.12: v1(24.999,20.2) 25.15,20.2 26.2,19.15 26.2,16.725 26.325,16.6 29.276,16.6 29.751,16.125 35.25,16.125 36.05,16.925 36.75,16.925 37.65,17.825 37.65,22.035 v1(36.435,23.25) v1@36.45,23.25
  BTM w0.18: v1(36.435,23.25) J9.31@37.225,23.25
FPGA_BANK34_HSTL_IO3: IC10.J2 J9.44 | length 4.5
  TOP w0.125: IC10.J2@28.599,20.6 28.999,20.2 29.586,20.2
  TOP w0.18: 29.586,20.2 30.85,20.2 v1(30.875,20.175)
  BTM w0.18: v1(30.875,20.175) 30.95,20.25 J9.44@32.775,20.25 J9.44@32.725,20.2
FPGA_BANK35_DIFF1_N: IC10.E7 J8.40 | length 24.7
  TOP w0.14: IC10.E7@24.599,17.4 v1(24.999,17)
  L5 w0.1: v1(6.7,18.875) cw(c6.972,18.603) 6.972,18.988 7.025,18.988 7.936,18.076 ccw(c10.052,20.192) 10.052,17.2 10.678,17.2 ccw(c10.678,18.097) 11.312,17.463 cw(c11.885,16.89) 11.885,17.7 12.535,17.7 cw(c12.535,15.008) 14.439,16.911 14.925,16.425 ccw(c15.529,17.029) 15.529,16.175 17.498,16.175 ccw(c17.498,16.902) 18.012,16.388 cw(c18.886,15.514) 18.886,16.75 20.475,16.75 cw(c20.475,16.207) 20.859,16.591 20.925,16.525 ccw(c21.649,17.249) 21.649,16.225 21.775,16.225 ccw(c21.775,16.885) 22.242,16.418 22.361,16.538 cw(c22.934,15.965) 22.934,16.775 23.893,16.775 24.044,16.625 24.624,16.625 v1(24.999,17)
  BTM w0.14: J8.40@4.775,21.25 5.345,21.25 5.425,21.33 5.645,21.33 5.925,21.05 5.925,19.544 6.594,18.875 v1(6.7,18.875)
FPGA_BANK35_DIFF1_P: IC10.F7 J8.38 | length 24.9
  TOP w0.14: IC10.F7@24.599,18.2 v1(24.999,17.8)
  L5 w0.1: v1(6.7,19.4) ccw(c6.972,19.672) 6.972,19.288 7.025,19.288 cw(c7.025,18.988) 7.237,19.2 8.148,18.289 ccw(c10.052,20.192) 10.052,17.5 10.678,17.5 ccw(c10.678,18.097) 11.1,17.675 cw(c11.885,16.89) 11.885,18 12.535,18 cw(c12.535,15.008) 14.651,17.124 15.137,16.637 ccw(c15.529,17.029) 15.529,16.475 17.498,16.475 ccw(c17.498,16.902) 17.8,16.6 cw(c18.886,15.514) 18.886,17.05 19.691,17.05 ccw(c19.691,17.14) 19.781,17.14 cw(c19.871,17.14) 19.871,17.23 19.891,17.23 cw(c19.891,17.14) 19.981,17.14 ccw(c20.071,17.14) 20.071,17.05 20.475,17.05 cw(c20.475,16.207) 21.071,16.803 21.137,16.737 ccw(c21.649,17.249) 21.649,16.525 21.775,16.525 ccw(c21.775,16.885) 22.03,16.63 22.149,16.75 cw(c22.934,15.965) 22.934,17.075 23.744,17.075 24.044,17.375 24.574,17.375 v1(24.999,17.8)
  BTM w0.14: J8.38@4.775,21.75 5.345,21.75 5.425,21.67 5.786,21.67 6.265,21.191 6.265,19.685 6.55,19.4 v1(6.7,19.4)
FPGA_BANK35_DIFF2_N: IC10.D6 J8.69 | length 18.1
  TOP w0.14: IC10.D6@25.399,16.6 v1(25.799,16.2)
  L2 w0.1: v1(10.75,13.737) 10.887,13.6 14.509,13.6 ccw(c14.509,14.241) 14.962,13.788 cw(c15.172,13.578) 15.172,13.875 18.482,13.875 ccw(c18.482,14.943) 19.237,14.188 cw(c20.111,13.314) 20.111,14.55 22.834,14.55 ccw(c22.834,16.216) 24.012,15.038 24.799,15.825 25.154,15.825 25.529,16.2 v1(25.799,16.2)
  BTM w0.14: J8.69@9.225,13.75 9.795,13.75 9.875,13.83 10.316,13.83 10.321,13.835 10.652,13.835 v1(10.75,13.737)